# Altium PCB uZed_breakout.PcbDoc (part 1 of 4)
Units mm, origin at the board's own origin, x right, y up, seen from the top; angles counter-clockwise.
Board outline 101.6 x 80.24 mm, 4 copper layers (Top Layer, Layer 1, Layer 2, Bottom Layer), stack 0.603 mm thick; 59 components, 141 nets, 617 pads, 641 vias.
Unrouted connection lines stored in the file: 23.
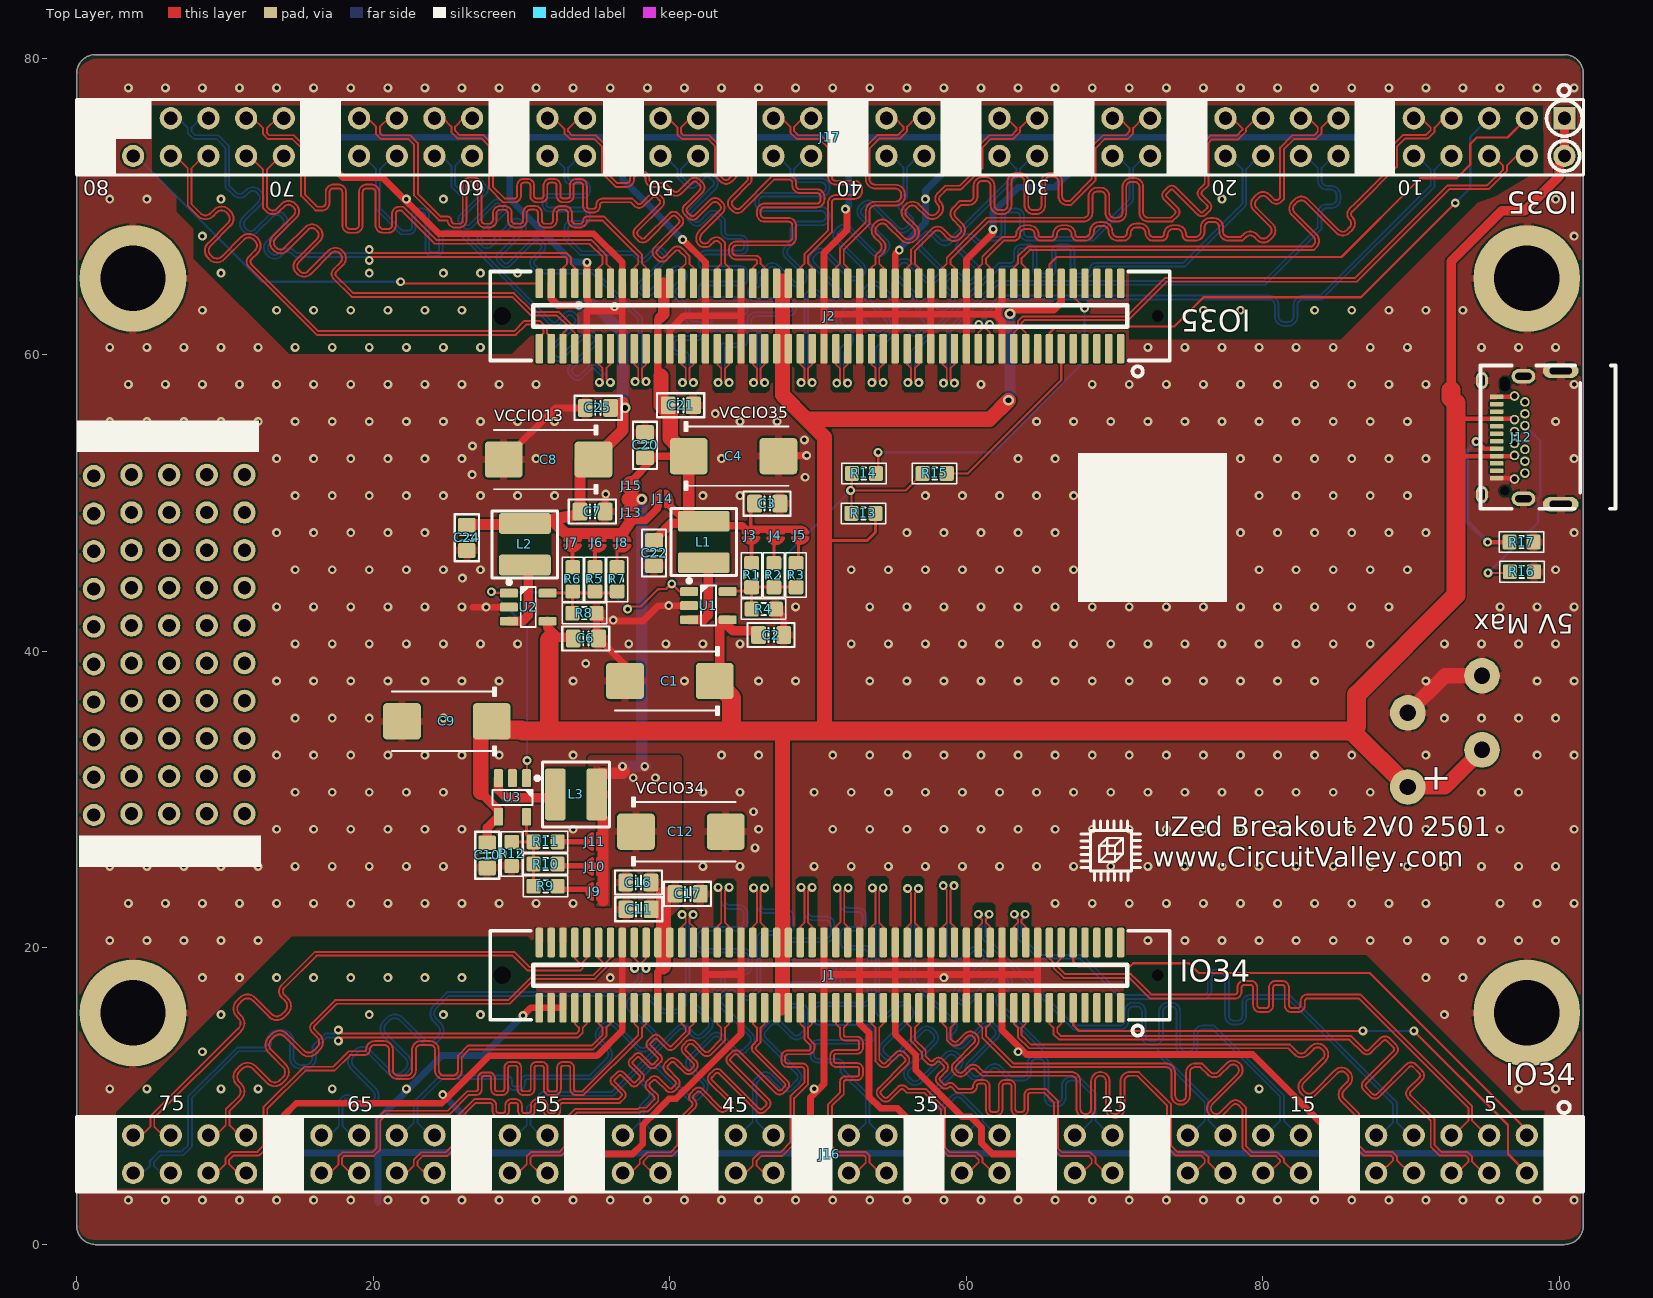
[diagram p0: Top Layer view]
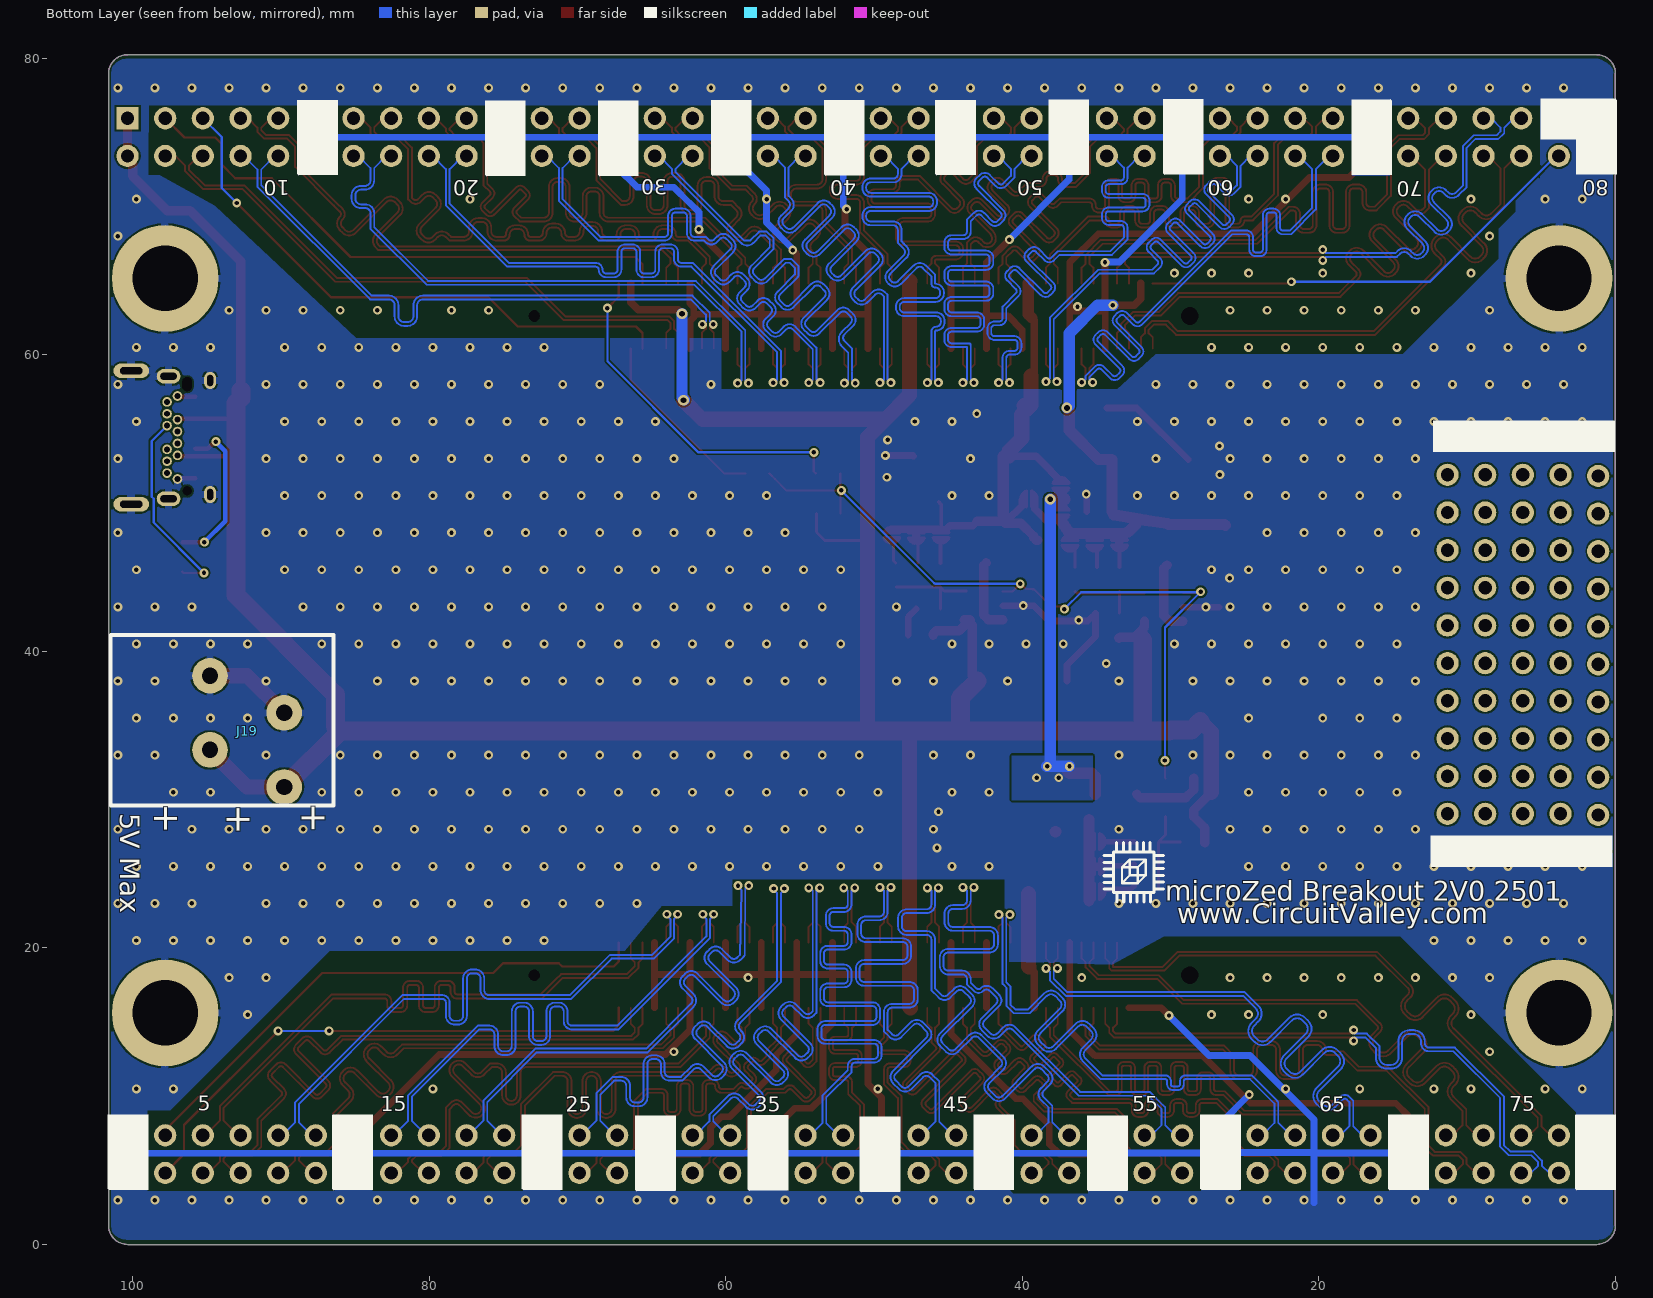
[diagram p1: Bottom Layer view, seen from below]
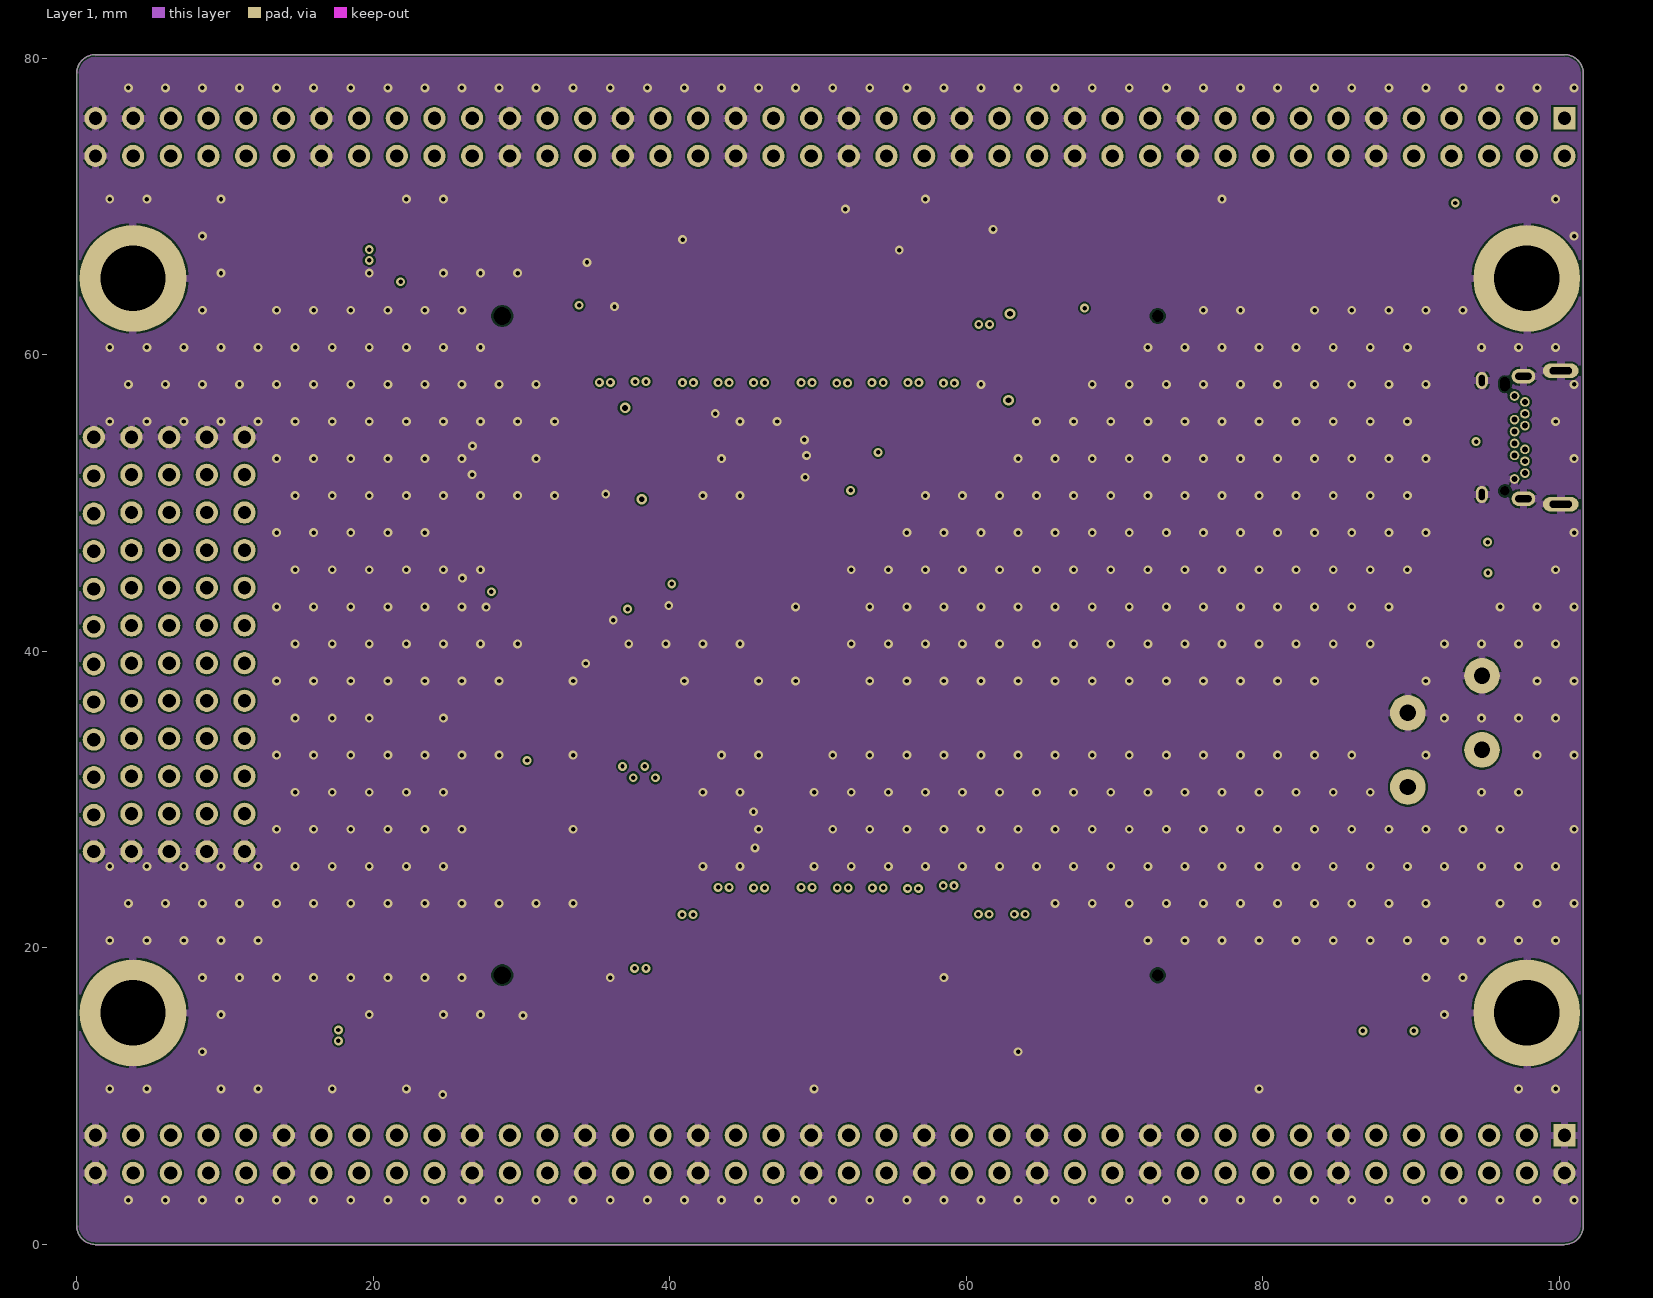
[diagram p2: Layer 1]
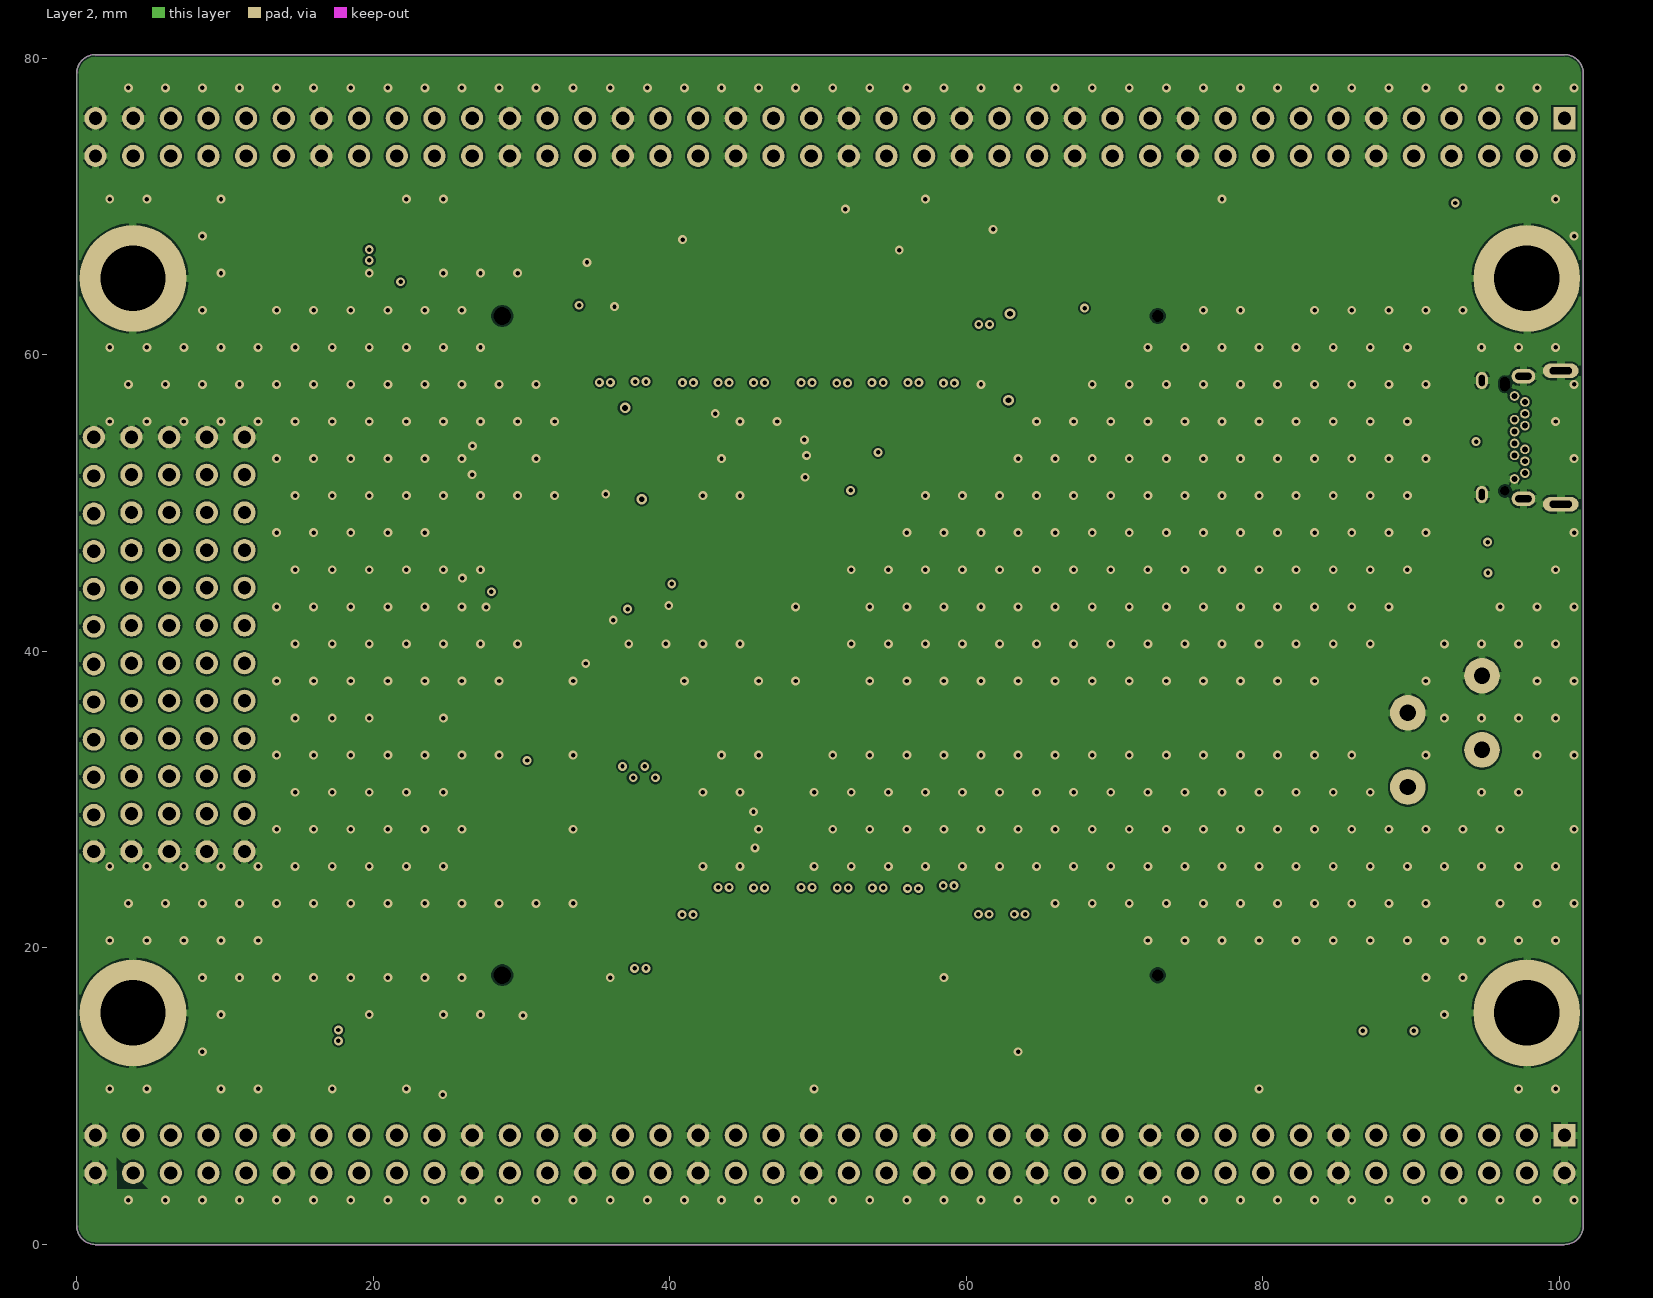
[diagram p3: Layer 2]
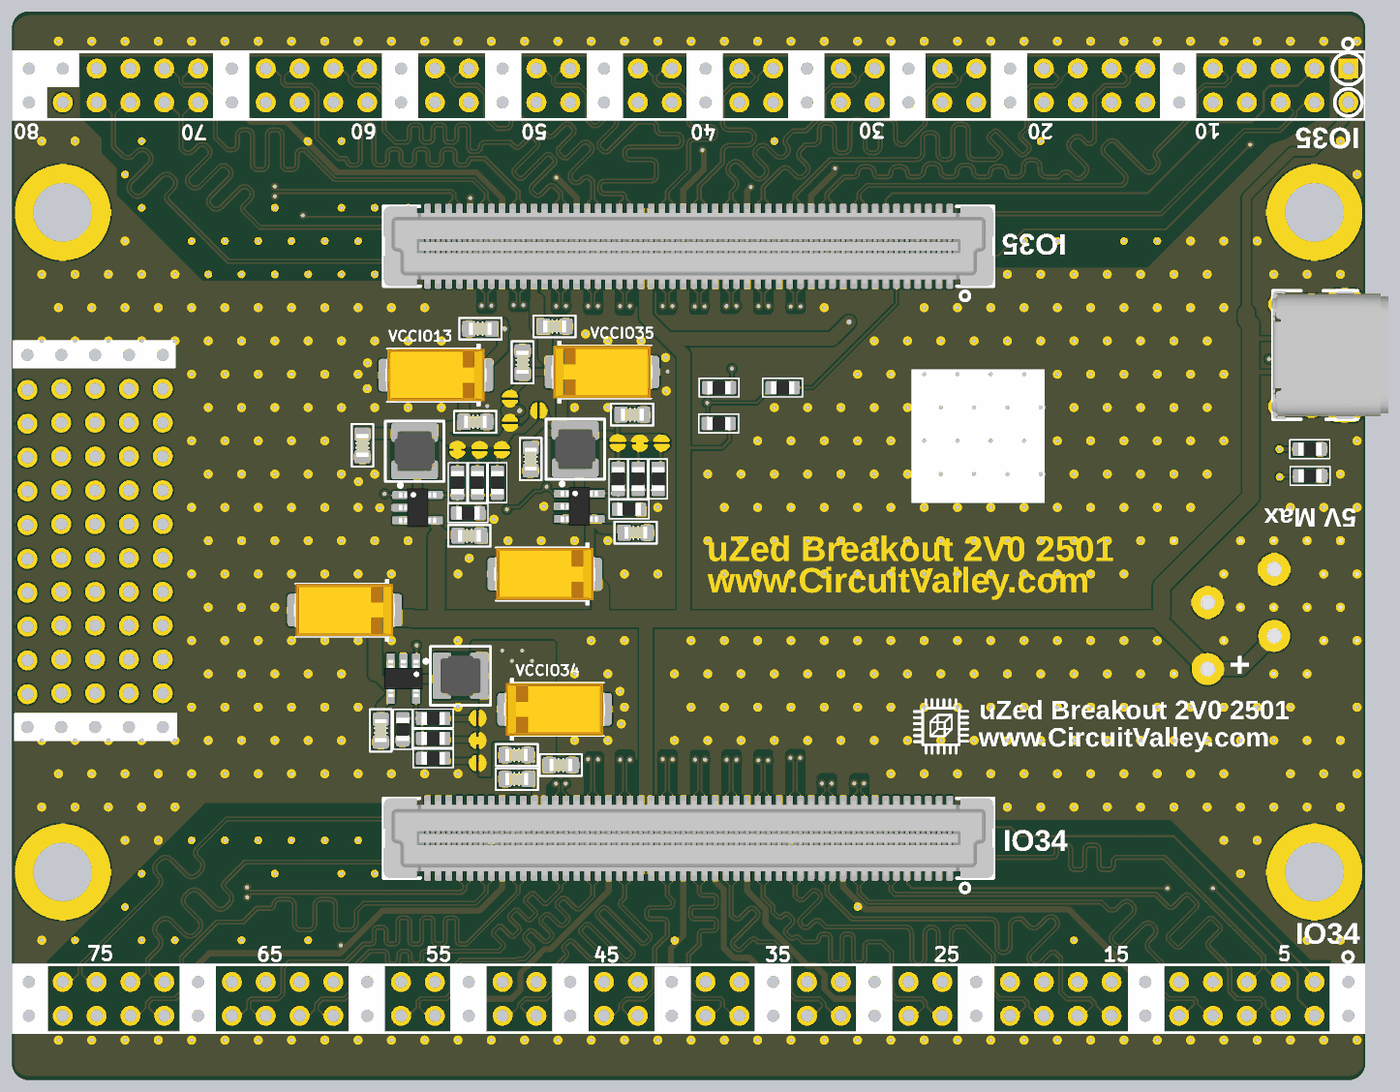
[diagram p7: 3D render of the assembled board from above, using the file's embedded part models]

## Layer stack, top to bottom
Top Solder: solder mask 0.0102, Solder Resist, Dk 3.5
Top Layer: signal copper 0.0356
Dielectric 2: prepreg 0.0711, PP-006, Dk 4.1
Layer 1: signal copper 0.035
Dielectric 1: dielectric 0.32, FR-4, Dk 4.8
Layer 2: signal copper 0.035
Dielectric 3: prepreg 0.0711, PP-006, Dk 4.1
Bottom Layer: signal copper 0.0356
Bottom Solder: solder mask 0.0102, Solder Resist, Dk 3.5

## Board outline
0,1.27 0,78.969 cw(c1.27,78.969) 1.27,80.239 100.33,80.239 cw(c100.33,78.969) 101.6,78.969 101.6,1.27 cw(c100.33,1.27) 100.33,0 1.27,0 cw(c1.27,1.27)

## Design rules (kind name [scope] priority, off if disabled: settings)
Clearance [All] p1: gap=0.127 ignorepadtopadclearanceinfootprint=FALSE
DiffPairsRouting [All] p1: maxlimit=0.254 minlimit=0.127 mostfreqgap=0.254 toplayer_maxgap=0.203 toplayer_prefgap=0.127 toplayer_minwidth=0.127 toplayer_maxwidth=5.08 toplayer_prefwidth=0.127 midlayer1_mingap=0.254 midlayer1_minwidth=0.381 midlayer1_maxwidth=0.381 midlayer1_prefwidth=0.381 midlayer2_mingap=0.254 midlayer2_minwidth=0.381 midlayer2_maxwidth=0.381 midlayer2_prefwidth=0.381 bottomlayer_maxgap=0.203 bottomlayer_prefgap=0.127 bottomlayer_minwidth=0.127 bottomlayer_maxwidth=5.08 bottomlayer_prefwidth=0.127 maxuncoupledlength=12.7
HoleSize [All] p1: absolutevalues=TRUE maxlimit=6 minlimit=0.2 maxpercent=80.000 minpercent=20.000
MatchedLengths DIFFPAIR_2 [InNetClass('DIFFPAIR2')] p1: tolerance=0.127 checknetsindiffpair=FALSE checkdiffpairvsdiffpair=TRUE checkxsignals=TRUE checkothers=TRUE
MatchedLengths DIFFPAIR_GROUP [InNetClass('DIFFPAIR')] p2: tolerance=0.127 checknetsindiffpair=FALSE checkdiffpairvsdiffpair=TRUE checkxsignals=TRUE checkothers=TRUE
MatchedLengths DIFFPAIR [InNetClass('DIFFPAIR')] p3: tolerance=0.127 checknetsindiffpair=TRUE checkdiffpairvsdiffpair=FALSE checkxsignals=FALSE checkothers=FALSE
MinimumSolderMaskSliver [All] p1: minsoldermaskwidth=0.076
PolygonConnect [All] p1: thpad.connectstyle=Relief thpad.reliefconductorwidth=0.508 thpad.reliefentries=4 thpad.polygonreliefangle="90 Angle" thpad.airgapwidth=0.127 smdpad.connectstyle=Relief smdpad.reliefconductorwidth=0.508 smdpad.reliefentries=4 smdpad.polygonreliefangle="90 Angle" smdpad.airgapwidth=0.127 via.connectstyle=Direct via.reliefconductorwidth=0.508 via.reliefentries=4 via.polygonreliefangle="90 Angle" via.airgapwidth=0.127
RoutingVias [All] p1: holewidth=0.254 width=0.5 viastyle="Through Hole" minholewidth=0.254 minwidth=0.508 maxholewidth=6 maxwidth=6
SilkToSolderMaskClearance [IsPad] p1: minsilkscreentomaskgap=0.102 clearancetoexposedcopper=TRUE
SolderMaskExpansion [All] p1: expansion=0.04 istentingtop=FALSE
Width [All] p1: maxlimit=5.08 minlimit=0.152 preferedwidth=0.254
26 further rules are at their usual default settings.

## Classes and differential pairs
net class DIFFPAIR2: IO_0_35 IO_25_35 L0_T0_35_N L0_T0_35_P L1_T0_35_N L1_T0_35_P L2_T0_35_N L2_T0_35_P L3_T0_35_N L3_T0_35_P L4_T0_35_N L4_T0_35_P L5_T0_35_N L5_T0_35_P L6_T1_35_N L6_T1_35_P L6_T3_13_N L7_T1_35_N L7_T1_35_P L8_T1_35_N L8_T1_35_P L9_T1_35_N L9_T1_35_P L10_T1_35_N L10_T1_35_P L11_T1_35_N L11_T1_35_P L12_T2_35_N L12_T2_35_P L13_T2_35_N L13_T2_35_P L14_T2_35_N L14_T2_35_P L15_T2_35_N L15_T2_35_P L16_T3_35_N L16_T3_35_P L17_T3_35_N L17_T3_35_P L18_T3_35_N L18_T3_35_P L19_T3_35_N L19_T3_35_P L20_T3_13_N L20_T3_13_P L20_T3_35_N L20_T3_35_P L21_T3_13_N L21_T3_13_P L21_T3_35_N L21_T3_35_P L22_T3_13_N L22_T3_13_P L22_T3_35_N L22_T3_35_P L23_T3_35_N L23_T3_35_P
net class DIFFPAIR: IO_0_34 IO_25_34 L0_T0_34_N L0_T0_34_P L1_T0_34_N L1_T0_34_P L2_T0_34_N L2_T0_34_P L3_T0_34_N L3_T0_34_P L4_T0_34_N L4_T0_34_P L5_T0_34_N L5_T0_34_P L6_T1_34_N L6_T1_34_P L7_T1_34_N L7_T1_34_P L8_T1_34_N L8_T1_34_P L9_T1_34_N L9_T1_34_P L10_T1_34_N L10_T1_34_P L11_T1_13_N L11_T1_13_P L11_T1_34_N L11_T1_34_P L12_T1_13_N L12_T1_13_P L12_T2_34_N L12_T2_34_P L13_T2_34_N L13_T2_34_P L14_T2_34_N L14_T2_34_P L15_T2_13_N L15_T2_13_P L15_T2_34_N L15_T2_34_P L16_T3_34_N L16_T3_34_P L17_T3_34_N L17_T3_34_P L18_T3_34_N L18_T3_34_P L19_T3_13_N L19_T3_13_P L19_T3_34_N L19_T3_34_P L20_T3_34_N L20_T3_34_P L21_T3_34_N L21_T3_34_P L22_T3_34_N L22_T3_34_P L23_T3_34_N L23_T3_34_P
differential pair L23_T3_35: +L23_T3_35_P -L23_T3_35_N
differential pair L22_T3_35: +L22_T3_35_P -L22_T3_35_N
differential pair L14_T2_35: +L14_T2_35_P -L14_T2_35_N
differential pair L11_T1_35: +L11_T1_35_P -L11_T1_35_N
differential pair L5_T0_35: +L5_T0_35_P -L5_T0_35_N
differential pair L16_T3_35: +L16_T3_35_P -L16_T3_35_N
differential pair L12_T2_35: +L12_T2_35_P -L12_T2_35_N
differential pair L6_T1_35: +L6_T1_35_P -L6_T1_35_N
differential pair L0_T0_35: +L0_T0_35_P -L0_T0_35_N
differential pair L23_T3_34: +L23_T3_34_P -L23_T3_34_N
differential pair L15_T2_34: +L15_T2_34_P -L15_T2_34_N
differential pair L11_T1_34: +L11_T1_34_P -L11_T1_34_N
differential pair L5_T0_34: +L5_T0_34_P -L5_T0_34_N
differential pair L16_T3_34: +L16_T3_34_P -L16_T3_34_N
differential pair L12_T2_34: +L12_T2_34_P -L12_T2_34_N
differential pair L6_T1_34: +L6_T1_34_P -L6_T1_34_N
differential pair L0_T0_34: +L0_T0_34_P -L0_T0_34_N
differential pair L19_T3_13: +L19_T3_13_P -L19_T3_13_N
differential pair L15_T2_13: +L15_T2_13_P -L15_T2_13_N
differential pair L12_T1_13: +L12_T1_13_P -L12_T1_13_N
differential pair L11_T1_13: +L11_T1_13_P -L11_T1_13_N
differential pair L23_T3_34: +L22_T3_34_P -L22_T3_34_N
differential pair L22_T3_35: +L21_T3_35_P -L21_T3_35_N
differential pair L22_T3_34: +L21_T3_34_P -L21_T3_34_N
differential pair L22_T3_13: +L22_T3_13_P -L22_T3_13_N
differential pair L21_T3_35: +L20_T3_35_P -L20_T3_35_N
differential pair L21_T3_34: +L20_T3_34_P -L20_T3_34_N
differential pair L21_T3_13: +L21_T3_13_P -L21_T3_13_N
differential pair L20_T3_35: +L18_T3_35_P -L18_T3_35_N
differential pair L20_T3_34: +L19_T3_34_P -L19_T3_34_N
differential pair L20_T3_13: +L20_T3_13_P -L20_T3_13_N
differential pair L19_T3_35: +L19_T3_35_P -L19_T3_35_N
differential pair L19_T3_34: +L18_T3_34_P -L18_T3_34_N
differential pair L18_T3_34: +L17_T3_34_P -L17_T3_34_N
differential pair L17_T3_35: +L17_T3_35_P -L17_T3_35_N
differential pair L15_T2_35: +L15_T2_35_P -L15_T2_35_N
differential pair L15_T2_34: +L14_T2_34_P -L14_T2_34_N
differential pair L14_T2_35: +L13_T2_35_P -L13_T2_35_N
differential pair L14_T2_34: +L13_T2_34_P -L13_T2_34_N
differential pair L11_T1_35: +L10_T1_35_P -L10_T1_35_N
differential pair L11_T1_34: +L10_T1_34_P -L10_T1_34_N
differential pair L10_T1_34: +L9_T1_34_P -L9_T1_34_N
differential pair L9_T1_35: +L9_T1_35_P -L9_T1_35_N
differential pair L9_T1_34: +L8_T1_34_P -L8_T1_34_N
differential pair L8_T1_35: +L8_T1_35_P -L8_T1_35_N
differential pair L8_T1_34: +L7_T1_34_P -L7_T1_34_N
differential pair L7_T1_35: +L7_T1_35_P -L7_T1_35_N
differential pair L5_T0_35: +L4_T0_35_P -L4_T0_35_N
differential pair L5_T0_34: +L4_T0_34_P -L4_T0_34_N
differential pair L4_T0_35: +L3_T0_35_P -L3_T0_35_N
differential pair L4_T0_34: +L3_T0_34_P -L3_T0_34_N
differential pair L3_T0_35: +L2_T0_35_P -L2_T0_35_N
differential pair L3_T0_34: +L2_T0_34_P -L2_T0_34_N
differential pair L2_T0_35: +L1_T0_35_P -L1_T0_35_N
differential pair L2_T0_34: +L1_T0_34_P -L1_T0_34_N

## Components (designator, comment, footprint, x,y, rotation, side; value= is the part's Value field where it differs from the comment)
C1 "33uf 20V D" CAPMP7343X310N 40.005,37.998 r180 top value="33uf 25V"
C2 "100n" CAPC1608N 46.838,41.097 r180 top
C3 "100n" CAPC1608N 46.572,49.962 r180 top
C4 "33uf 20V D" CAPMP7343X310N 44.298,53.162 r0 top value="33uf 25V"
C6 "100n" CAPC1608N 34.341,40.869 r180 top
C7 "100n" CAPC1608N 34.791,49.429 r180 top
C8 "33uf 20V D" CAPMP7343X310N 31.826,52.934 r180 top value="33uf 25V"
C9 "33uf 20V D" CAPMP7343X310N 24.968,35.281 r180 top value="33uf 25V"
C10 "100n" CAPC1608N 27.686,26.238 r90 top
C11 "100n" CAPC1608N 37.897,22.606 r0 top
C12 "33uf 20V D" CAPMP7343X310N 40.742,27.838 r0 top value="33uf 25V"
C16 "100n" CAPC1608N 37.879,24.411 r0 top
C17 "100n" CAPC1608N 41.207,23.647 r180 top
C20 "100n" CAPC1608N 38.329,53.899 r270 top
C21 "100n" CAPC1608N 40.742,56.591 r180 top
C22 "100n" CAPC1608N 38.938,46.621 r90 top
C24 "100n" CAPC1608N 26.314,47.65 r90 top
C25 "100n" CAPC1608N 35.154,56.413 r0 top
J1 "BERGSTAK-100-PLUG" 61083-101400LF 50.8,18.161 r180 top
J2 "BERGSTAK-100-PLUG" 61083-101400LF 50.8,62.611 r180 top locked
J3 "SMD Jumper" SMD_Jumper 45.472,47.831 r270 top net-tie
J4 "SMD Jumper Bridged" SMD_Jumper_bridge 47.133,47.803 r270 top net-tie
J5 "SMD Jumper" SMD_Jumper 48.793,47.831 r270 top net-tie
J6 "SMD Jumper" SMD_Jumper 35.107,47.306 r270 top net-tie
J7 "SMD Jumper Bridged" SMD_Jumper_bridge 33.436,47.323 r270 top net-tie
J8 "SMD Jumper" SMD_Jumper 36.778,47.306 r270 top net-tie
J9 "SMD Jumper" SMD_Jumper 34.951,23.798 r180 top net-tie
J10 "SMD Jumper Bridged" SMD_Jumper_bridge 34.952,25.487 r180 top net-tie
J11 "SMD Jumper" SMD_Jumper 34.951,27.175 r180 top net-tie
J12 "USB C Connector" UT11113-11602-7H 99.64,54.42 r90 top
J13 "SMD Jumper" SMD_Jumper 37.389,49.352 r270 top net-tie
J14 "SMD Jumper" SMD_Jumper 39.539,50.279 r180 top net-tie
J15 "SMD Jumper" SMD_Jumper 37.389,51.171 r90 top net-tie
J16 "Header 2x40" Header_2x40 50.8,6.096 r0 top locked
J17 "Header 2x40" Header_2x40 50.8,74.676 r0 top locked
J19 "804-102" 804-102 93.967,35.354 r270 bottom
L1 "Inductor" SFE4018A-2R2M-F-HF 42.291,47.371 r90 top value=2u2
L2 "Inductor" SFE4018A-2R2M-F-HF 30.226,47.219 r90 top value=2u2
L3 "Inductor" SFE4018A-2R2M-F-HF 33.68,30.353 r0 top value=2u2
R1 "Thick Film" RESC1608N_ZERO 45.517,45.136 r270 top value=73.2K
R2 "Thick Film" RESC1608N_ZERO 47.015,45.136 r270 top value=33.3K
R3 "Thick Film" RESC1608N_ZERO 48.514,45.136 r270 top value=16.2K
R4 "Thick Film" RESC1608N_ZERO 46.33,42.85 r0 top value=16.2K
R5 "Thick Film" RESC1608N_ZERO 34.95,44.856 r90 top value=73.2K
R6 "Thick Film" RESC1608N_ZERO 33.452,44.856 r90 top value=33.3K
R7 "Thick Film" RESC1608N_ZERO 36.449,44.856 r90 top value=16.2K
R8 "Thick Film" RESC1608N_ZERO 34.239,42.57 r180 top value=16.2K
R9 "Thick Film" RESC1608N_ZERO 31.623,24.155 r180 top value=73.2K
R10 "Thick Film" RESC1608N_ZERO 31.623,25.654 r180 top value=33.3K
R11 "Thick Film" RESC1608N_ZERO 31.623,27.153 r180 top value=16.2K
R12 "Thick Film" RESC1608N_ZERO 29.337,26.34 r270 top value=16.2K
R13 "Thick Film" RESC1608N_ZERO 53.061,49.301 r180 top value="0R NC"
R14 "Thick Film" RESC1608N_ZERO 53.086,51.994 r0 top value="0R NC"
R15 "Thick Film" RESC1608N_ZERO 57.861,51.994 r0 top value=5K1
R16 "Thick Film" RESC1608N_ZERO 97.46,45.364 r0 top value=5K1
R17 "Thick Film" RESC1608N_ZERO 97.434,47.371 r0 top value=5K1
U1 "AP3417C" SOT23-5 42.6,43.078 r0 top
U2 "AP3417C" SOT23-5 30.455,42.977 r0 top
U3 "AP3417C" SOT23-5 29.388,30.15 r270 top